# Altium PCB V3(B0317).PcbDoc (part 2 of 2)
Units mil, origin at the board's own origin, x right, y up, seen from the top; angles counter-clockwise.
Board outline 3937.01 x 3937.01 mil, 2 copper layers (Top Layer, Bottom Layer); 151 components, 137 nets, 561 pads, 319 vias.
Unrouted connection lines stored in the file: 1.
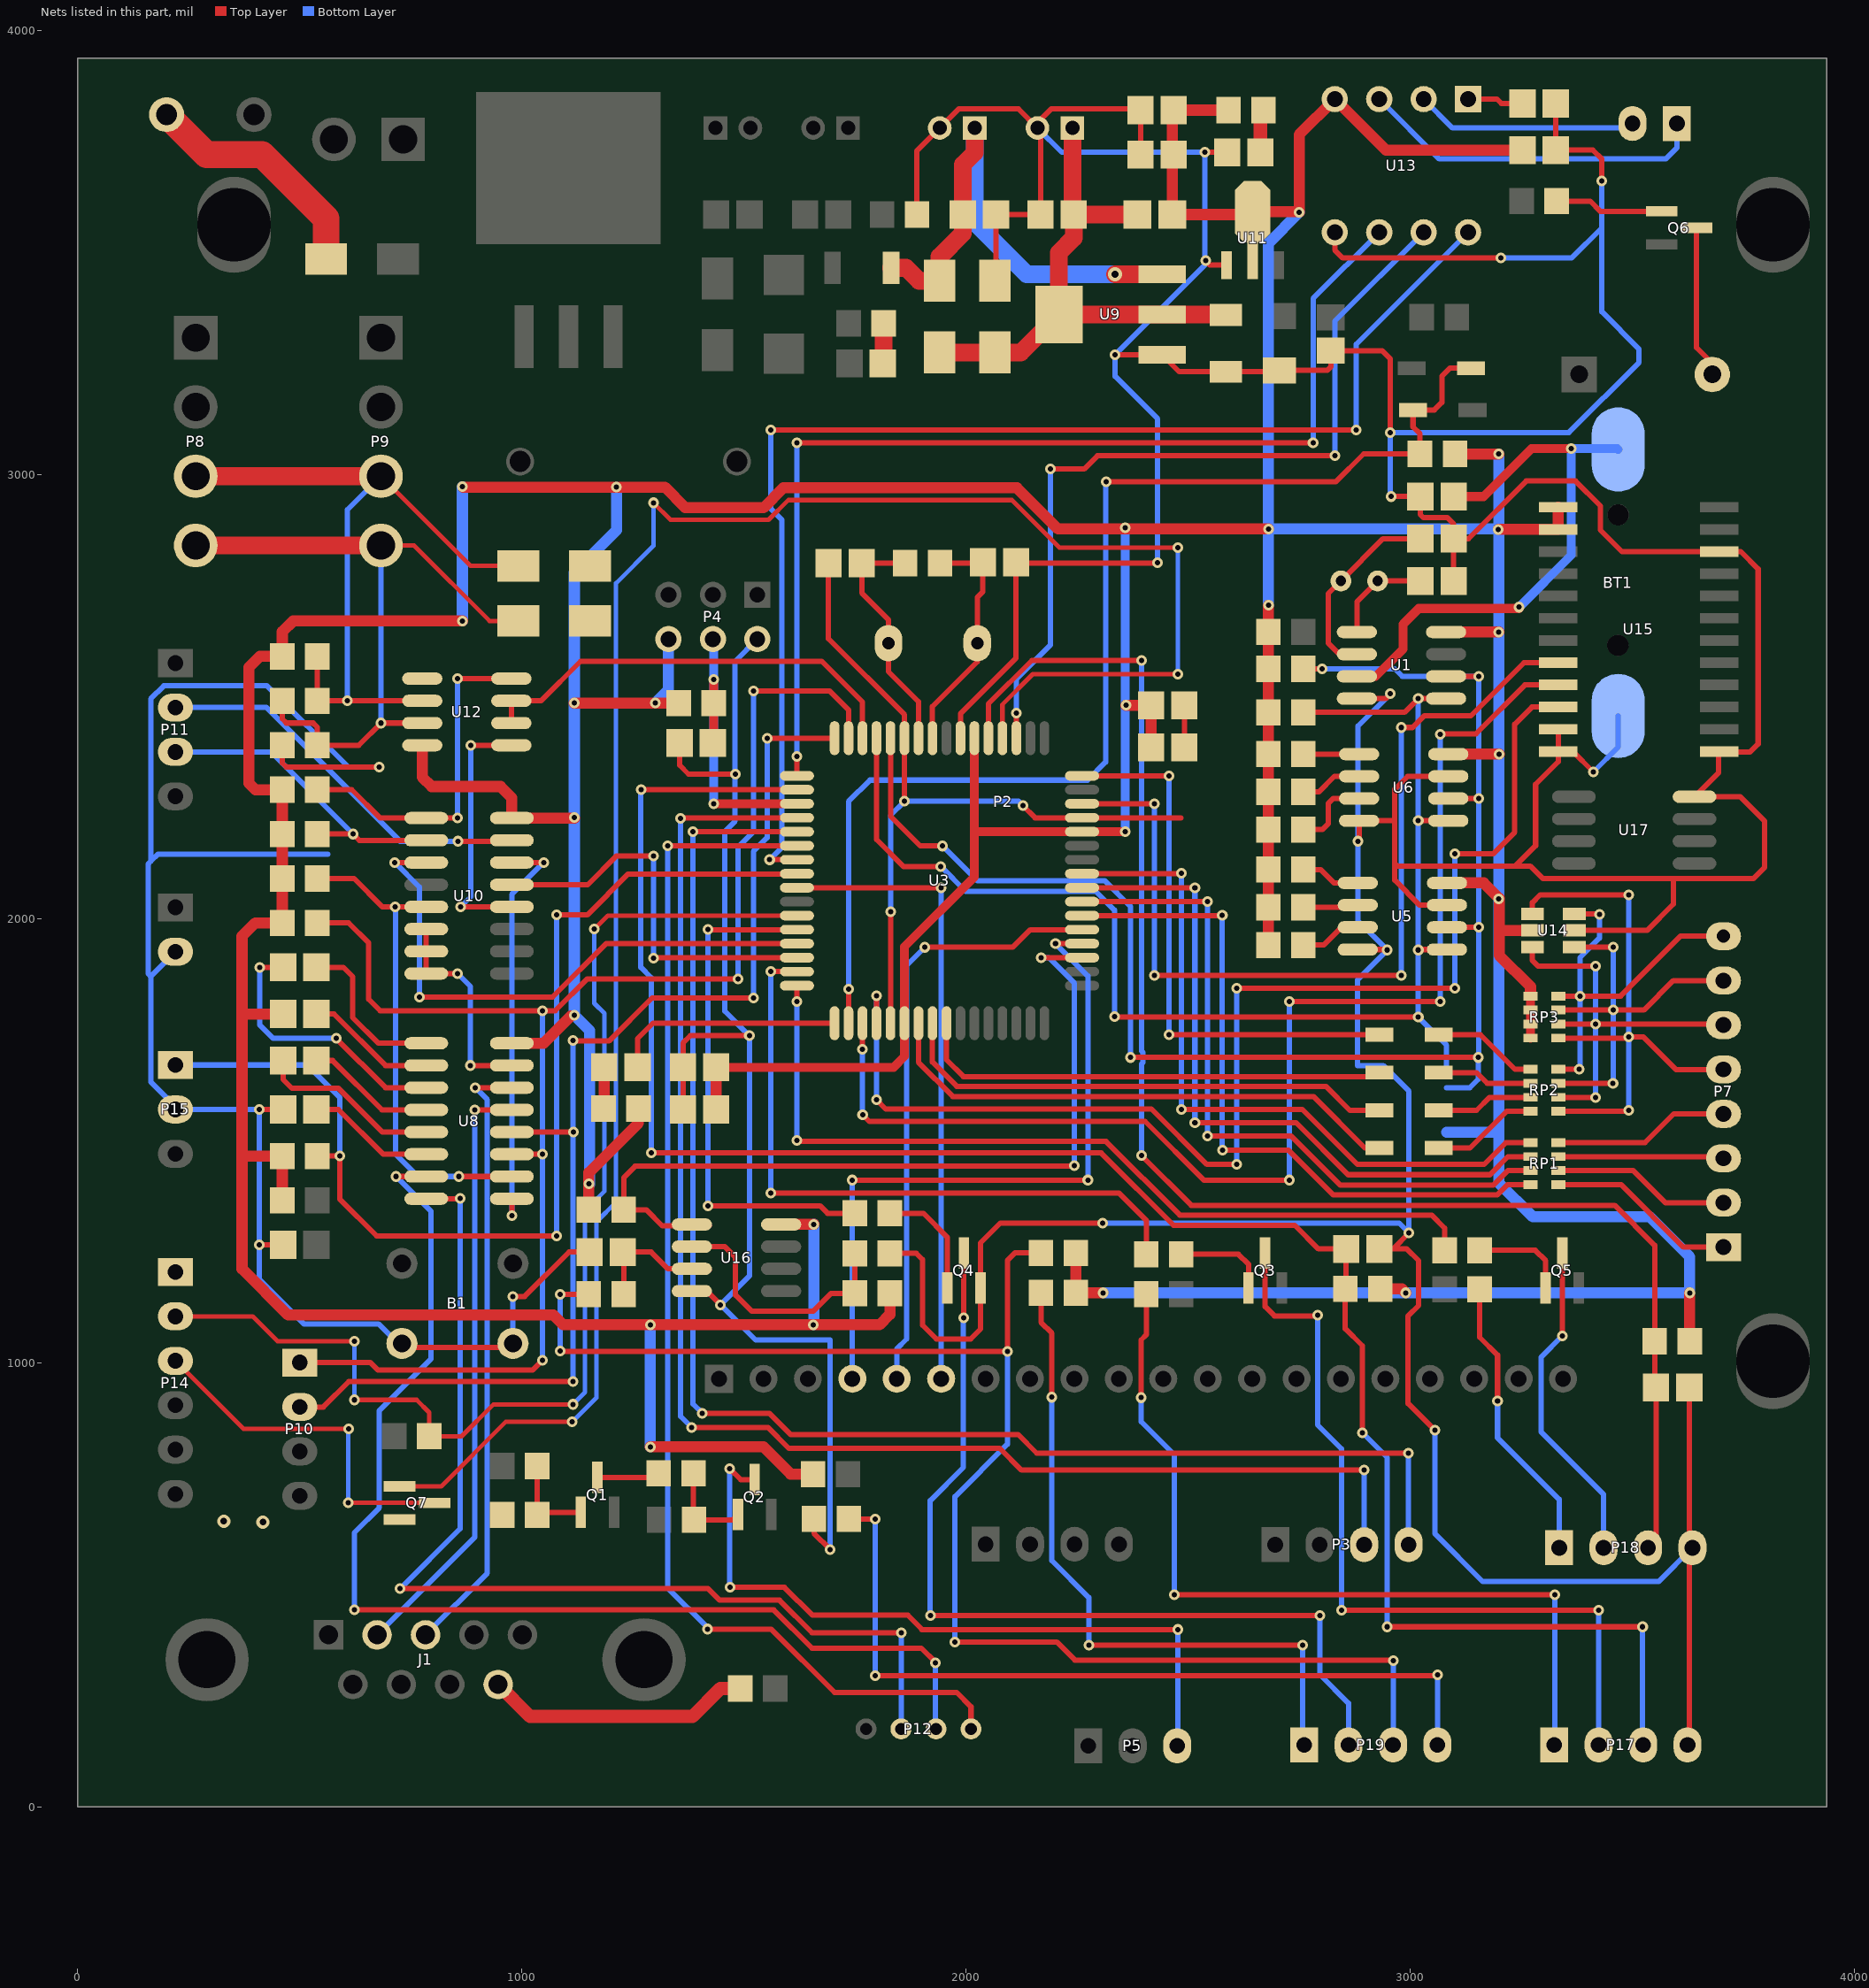
[diagram p2: the nets of this part, all layers, seen from the top]

## Via types
v1: diameter 24, hole 12, Top Layer to Bottom Layer, 272 vias
v2: diameter 30, hole 15, Top Layer to Bottom Layer, 40 vias
v3: diameter 40, hole 20, Top Layer to Bottom Layer, 3 vias
v4: diameter 32, hole 16, Top Layer to Bottom Layer, 2 vias
v5: diameter 60, hole 30, Top Layer to Bottom Layer, 2 vias

## Nets (pads, with @x,y where several pads share a name; then routed paths per layer and width w, separated by ;. In a path a pad name is that pad's centre, name@x,y a point inside that pad or via, vN(x,y) a via of type N, cw(c..) or ccw(c..) an arc to the next point about the centre after c; other vN are vias at no path point) (continued)
GND: B1.2 B1.4 BT1.2 C1.1 C2.2 C3.1 C4.2 C9.1 C10.1 C11.1 C12.1 C13.1 C14.1 C17.2 C18.1 C19.1 C21.2 C22.2 C23.2 C24.1 C25.1 C26.2 C27.1 C28.1 C29.1 C30.1 C31.1 C32.1 D6.2 D8.1 D9.1 D16.1 D17.1 P4.2 P14.1 P15.2 P16.2 P17.4 P18.4 Q4.2 Q7.2 R3.2 R15.1 R21.1 R33.2 R35.1 U1.4 U3.21 U3.45 U3.55 U3.59 U5.4 U5.7 U6.4 U6.7 U8.15 U9.1 U10.6 U10.7 U10.8 U11.1 U12.5 U13.5 U14.2 U15.11 U15.12 U15.13 U15.22 U16.4 U17.4 | length 25639.6
  Top Layer w12: v1(409,1265) C28.1@462.6,1265 ; v1(409,1570) C19.1@462.6,1570 ; R21.1@460.63,2390 460.63,2349.9 469.53,2341 v1@678,2341 ; B1.4@730,1034 B1.2@980,1034 ; U10.6@784.54,1976 U10.7@784.54,1926 U10.8@784.54,1876 v1(855,1876) v1@855,1878 ; v1(884,1669) U8.15@977.46,1669 ; v1(980,1149) 1006,1149 1106,1249 C29.1@1152.6,1249 ; C1.1@1355,2395 1355,2345 1375,2325 v1(1481,2325) ; C11.1@1362.6,1570 C10.1@1362.6,1665 1362.6,1719.6 1379,1736 v1(1512,1736) ; U16.4@1382.61,1161 1416,1161 v1(1447,1130) ; R33.2@1657.63,648 1657.63,615.37 v1(1694,579) ; C12.1@1690.2,2800 1690.2,2629.8 1861.26,2458.74 U3.59@1861.26,2405.87 v1(1861.26,2263.74) ; R35.1@1828.37,1246 1888,1246 1902,1232 1902,1084 1933,1053 2010,1053 2032.4,1075.4 Q4.2@2032.4,1167.63 2032.4,1269.4 2077,1314 v1(2307,1314) ; U3.21@1829.76,1764.13 v1(1829.76,2015) ; R3.2@1889.37,3585 1889.37,3728.74 C17.2@1940.63,3780 1983.2,3822.57 2118.06,3822.57 C23.2@2160.63,3780 ; U3.55@1987.24,2405.87 1987.24,2461.24 2112.4,2586.4 C9.1@2112.4,2802 ; D8.1@2065,3435.71 2067.4,3438.11 C18.1@2067.4,3585 C21.2@2167.6,3585 2167.6,3773.03 C23.2@2160.63,3780 ; C9.1@2112.4,2800 v1@2433,2800 ; v1(2128,2254) 2155.27,2226.73 U3.45@2260.87,2226.73 2483.73,2226.73 ; v1(2335.45,3269.45) U9.1@2441.14,3269.45 2479.57,3231.02 D9.1@2585,3231.02 2702.05,3231.02 C22.2@2705,3233.98 2812.98,3233.98 2821,3242 C32.1@2821,3278.6 2936.4,3278.6 2955,3260 v1@2955,3095 ; C25.1@2392.6,3720 C24.1@2392.6,3820 2390.02,3822.57 2191.57,3822.57 2160.63,3791.63 C23.2@2160.63,3780 ; C14.1@2491.4,2385 C13.1@2491.4,2480 ; v1(2537,3725) D6.2@2587.6,3725 ; v1(2539,3481) 2548.74,3471.26 U11.1@2585.94,3471.26 ; U13.5@2830,3545 2830,3505 2848,3487 v1(3204,3487) ; U1.4@2879.61,2495 2944,2495 v1(2955,2506) ; U5.4@2881.61,1930 v1@2947,1930 ; v1(2882,2174) 2884.61,2176.61 U6.4@2884.61,2220 2964,2220 ; C30.1@2930.4,1256 2961,1256 ; v1(2957,2950) C3.1@3022.6,2950 3022.6,2909.4 3029.5,2902.5 3083.5,2902.5 3097.4,2888.6 C2.2@3097.4,2855 ; v1(2997,1292) 2961,1256 ; v1(3055,848) 2995,908 2995,1105 3018.5,1128.5 3018.5,1229.5 2992,1256 2961,1256 ; U5.7@3082.39,2030 3021,2030 2965,2086 2965,2123 ; U6.7@3085.39,2320 2994,2320 2965,2291 2965,2123 ; C4.2@3097.4,2760 C2.2@3097.4,2855 ; C26.2@3327.4,3835 C27.1@3327.4,3730 3411,3730 3431,3710 v1(3431,3661) ; U15.11@3332.9,2426 U15.12@3332.9,2376 ; U14.2@3369.24,1973 3533,1973 3592,2032 3592,2090 ; v1(3412,2330) 3366,2376 U15.12@3332.9,2376 ; P17.4@3624,139 3628,143 C31.1@3628,944 ; 2965,2123 2970,2118 3236,2118 ; C2.2@3097.4,2855 3131,2855 3261,2985 3372,2985 3428,2929 3428,2874.43 3476.43,2826 U15.22@3695.1,2826 3743.9,2826 3783,2786.9 3783,2393 3764.9,2374.9 3694,2374.9 3694,2328.17 U17.4@3639.83,2274 3743,2274 3797.9,2219.1 3797.9,2114.9 3773,2090 3592,2090 ; 3236,2118 3270,2118 3298,2090 3592,2090 ; 3236,2118 3282,2164 3282,2302 3332.9,2352.9 U15.12@3332.9,2376
  Bottom Layer w12: P16.2@220,1925 164.63,1869.63 ; 563,2145 181,2145 164.63,2128.63 ; v1(679,2341) 609,2341 426,2524 193.96,2524 164.63,2494.67 164.63,2128.63 ; B1.4@730,1034 677,1087 509,1087 409,1187 v1(409,1265) v1(409,1570) P15.2@220,1570 220,1576.51 164.63,1631.88 164.63,1869.63 ; v1(855,1876) 884,1847 v1(884,1669) ; B1.2@980,1043 v1(980,1149) ; P4.2@1530,2629 1480,2579 1480,2219 1457,2196 1457,1791 v1(1512,1736) 1512,1195 v1(1447,1130) 1526,1051 1694,1051 v1(1694,579) ; v1(1829.76,2015) 1829.76,2232.24 v1(1861.26,2263.74) 2118.26,2263.74 v1(2128,2254) ; C23.2@2160.63,3780 2215.63,3725 v1(2537,3725) 2537,3483 v1(2539,3481) 2539,3473 v1(2335.45,3269.45) 2335.45,3220.55 2431,3125 v1(2431,2801) ; v1(2307,1314) 2975,1314 v1(2997,1292) 2997,1611 2939,1669 2880.61,1669 2880.61,1861.61 v1(2948,1929) 2882,1995 v1(2882,2174) 2882,2433 v1(2955,2506) ; v1@2955,2951 v1(2955,3094) 3357,3094 3515,3252 3515,3282 3431,3366 3431,3555 ; v1(3055,848) 3055,615 3163,507 3559,507 P18.4@3635,583 ; v1(3204,3487) 3363,3487 3431,3555 ; v1(3412,2330) 3468,2386 BT1.2@3468,2456 ; v1(3431,3661) 3431,3555 ; 164.63,1869.63 159,1875.26 159,2123 164.63,2128.63
  other v2: 417,641 329,643
IR: P15.1 R24.1 U3.8 | length 2504.8
  Top Layer w12: R24.1@539.37,1465 v1(590,1465) 590,1368 673,1285 v1(1078,1285) ; v1(1078,2008) 1147,2008 1239,2100 1618.39,2100 U3.8@1619.13,2100.75
  Bottom Layer w12: P15.1@220,1670 517,1670 590,1597 v1(590,1465) ; v1(1078,1285) v1(1078,2008)
IRQ: C30.2 P17.3 R38.1 U3.2 | length 4565.3
  Top Layer w12: v1(1268,2290) 1268.28,2289.72 U3.2@1619.13,2289.72 ; v1(1291,1472) 2304,1472 2467,1309 2740,1309 2793,1256 C30.2@2855.6,1256 2855.6,1167.97 R38.1@2853.63,1166 2853.63,1076.37 2892,1038 v1(2892,842) ; v1(2948,405) v1(3523,405)
  Bottom Layer w12: v1@1267.76,2290 1267.76,1890 1291,1866.76 v1(1291,1472) ; v1(2892,842) 2948,786 v1(2948,405) ; v1(3523,405) 3523,140 P17.3@3524,139
KB_H1: RP1.8 U3.38 | length 1589.5
  Top Layer w12: U3.38@2260.87,2006.26 v1@2576.74,2006.26 ; v1(2577,1478) 2726,1478 2826,1378 3196.23,1378 3218.98,1400.76 RP1.8@3270.5,1400.76
  Bottom Layer w12: v1@2576.74,1478 v1(2576.74,2007.26)
KB_H2: RP1.7 U3.39 | length 1596.6
  Top Layer w12: U3.39@2260.87,2037.76 v1@2543,2037.76 ; v1(2543,1510) 2732,1510 2842,1400 3187.11,1400 3219.36,1432.25 RP1.7@3270.5,1432.25
  Bottom Layer w12: v1(2543,1510) v1(2543,2038)
KB_H3: RP1.6 U3.40 | length 1604
  Top Layer w12: U3.40@2260.87,2069.25 v1@2515,2069.25 ; v1(2515,1540) 2743,1540 2860,1423 3179,1423 3219.75,1463.75 RP1.6@3270.5,1463.75
  Bottom Layer w12: v1(2515,1540) v1(2515,2069)
KB_H4: RP1.5 U3.41 | length 1613.4
  Top Layer w12: U3.41@2260.87,2100.75 v1@2485,2100.75 ; v1(2485,1570) 2757,1570 2881,1446 3166,1446 3215.24,1495.24 RP1.5@3270.5,1495.24
  Bottom Layer w12: v1(2485,1570) v1(2485,2102)
KB_V1: D12.1 U3.23 | length 1205.2
  Top Layer w12: U3.23@1892.76,1764.13 1892.76,1676.24 1970,1599 2782,1599 2898,1483 D12.1@2930.07,1483
KB_V2: D10.1 U3.24 | length 1138.2
  Top Layer w12: U3.24@1924.25,1764.13 1924.25,1676.75 1979,1622 2810,1622 2864,1568 D10.1@2930.07,1568
KB_V3: D13.1 U3.25 | length 1075.8
  Top Layer w12: U3.25@1955.75,1764.13 1955.75,1682.25 1994,1644 2921.07,1644 D13.1@2930.07,1653
KB_V4: D11.1 U3.48 | length 1252.2
  Top Layer w12: U3.48@2260.87,2321.22 v1@2457,2321.22 ; v1(2457,1738) D11.1@2930.07,1738
  Bottom Layer w12: v1(2457,1738) v1(2457,2321)
LCD_E: P2.6 U3.9 | length 1430.4
  Top Layer w12: U3.9@1619.13,2069.25 1943.57,2069.25 v1(1943.82,2069)
  Bottom Layer w12: P2.6@1943.82,963.43 v1(1943.82,2069)
LCD_RS: P2.4 U3.36 | length 1599.7
  Top Layer w12: v1(1743.82,1411) v1(2274,1411) ; v1(2201.27,1943.27) U3.36@2260.87,1943.27
  Bottom Layer w12: P2.4@1743.82,963.43 v1(1743.82,1411) ; v1(2201.27,1943.27) 2274,1870.54 v1(2274,1411)
LCD_RW: P2.5 U3.37 | length 1368.1
  Top Layer w12: v1(1907,1935) 2105,1935 2144.76,1974.76 U3.37@2260.87,1974.76
  Bottom Layer w12: P2.5@1843.82,963.43 1843.82,1030.82 1866,1053 1866,1894 v1(1907,1935)
LED1: R23.1 U3.15 | length 1504.5
  Top Layer w12: v1@1560.28,1381.53 2344.47,1381.53 2405.63,1320.37 R23.1@2405.63,1244 ; v1(1560.28,1880.28) U3.15@1619.13,1880.28
  Bottom Layer w12: v1(1560.28,1381.72) v1(1560.28,1880.28)
LED1+: P17.1 R27.1 | length 1910.3
  Top Layer w12: v1@2394,918 v1(2394,921) 2394,1051 2405.63,1062.63 R27.1@2405.63,1154 ; v1(2469,477) v1(3325,477)
  Bottom Layer w12: v1(2394,921) 2394,867 2469,792 v1(2469,477) ; P17.1@3324,139 3325,140 v1(3325,477)
LED1-: P17.2 Q3.3 | length 1816.4
  Top Layer w12: Q3.3@2673,1246.37 2673,1126 2694,1105 v1@2791,1105 ; v1(2845,442) v1(3424,442)
  Bottom Layer w12: v1(2791,1107) 2791.31,1106.68 2791.31,859.68 2845,806 v1(2845,442) ; P17.2@3424,139 v1(3424,442)
LED2: R29.1 U3.16 | length 1936.7
  Top Layer w12: v1(1619.13,1813.13) U3.16@1619.13,1848.78 ; v1@1620,1498 2315,1498 2481,1332 3048,1332 3077.26,1302.74 R29.1@3077.26,1253
  Bottom Layer w12: v1(1619,1500) 1619.13,1500.13 v1(1619.13,1813.13)
LED2+: P18.1 R30.1 | length 656.8
  Top Layer w12: R30.1@3156,1165 3156,1057 3196.32,1016.68 v1(3196.32,913.32)
  Bottom Layer w12: v1@3196.32,914 3196.32,830.68 3335,692 P18.1@3335,583
LED2-: P18.2 Q5.3 | length 741.7
  Top Layer w12: v1(3342,1060) Q5.3@3342,1246.37
  Bottom Layer w12: v1(3342,1060) 3294,1012 3294,844 3435,703 P18.2@3435,583
LED3: D4.2 U3.17 | length 522.2
  Top Layer w12: D4.2@1260.4,1665 1260.4,1729.4 1295.13,1764.13 U3.17@1703.78,1764.13
NetBT1_1: BT1.1 C3.2 U1.3 | length 1286.7
  Top Layer w20: U1.3@2879.61,2545 2922.12,2545 2984,2606.88 2984,2663 3019,2698 v1@3245,2698 ; C3.2@3095,2952.4 C3.2@3097.4,2950 3165,2950 3273,3058 v1(3362,3058)
  Bottom Layer w20: v1(3245,2701) 3362,2818 v1(3362,3058) 3466,3058 BT1.1@3468,3056
NetC2_1: C2.1 U1.2 Y1.1 | length 445.1
  Top Layer w12: U1.2@2879.61,2595 2840,2595 2815,2620 2815,2731.34 Y1.1@2843.66,2760 2938.66,2855 C2.1@3022.6,2855
NetC4_1: C4.1 U1.1 Y1.2 | length 230.6
  Top Layer w12: U1.1@2879.61,2645 2879.61,2713.27 Y1.2@2926.34,2760 C4.1@3022.6,2760
NetC9_2: C9.2 R4.1 U3.57 Y2.1 | length 537.3
  Top Layer w12: U3.57@1924.25,2405.87 1924.25,2477.25 2025,2578 Y2.1@2025,2620 2025,2723 2037.6,2735.6 C9.2@2037.6,2802 ; R4.1@1941.37,2800 C9.2@2035.6,2800
NetC12_2: C12.2 R4.2 U3.58 Y2.2 | length 544.7
  Top Layer w12: R4.2@1862.63,2800 C12.2@1765,2800 1765,2733 1825,2673 Y2.2@1825,2620 1825,2556 1892.76,2488.24 U3.58@1892.76,2405.87
NetC15_1: C15.1 U8.5 | length 413.6
  Top Layer w12: C15.1@462.6,1680 462.6,1637.4 482.5,1617.5 587.5,1617.5 686,1519 U8.5@784.54,1519
NetC15_2: C15.2 U8.4 | length 293.1
  Top Layer w12: C15.2@537.4,1680 574,1680 685,1569 U8.4@784.54,1569
NetC16_1: C16.1 U8.3 | length 615.5
  Top Layer w12: v1(410,1890) C16.1@462.6,1890 ; v1(582,1730) 693,1619 U8.3@784.54,1619
  Bottom Layer w12: v1(410,1890) 410,1760 440,1730 v1(582,1730)
NetC16_2: C16.2 U8.1 | length 371.9
  Top Layer w12: C16.2@537.4,1890 598,1890 619,1869 619,1777 677,1719 U8.1@784.54,1719
NetC17_1: C17.1 C18.2 D7.2 F2.2 U9.3 | length 1181
  Top Layer w40: F2.2@1830.94,3465 1865,3465 1894.29,3435.71 D7.2@1940,3435.71 1940,3490 1992.6,3542.6 C18.2@1992.6,3585 1992.6,3697.6 2019.37,3724.37 C17.1@2019.37,3780 ; v4(2335.55,3450.55) U9.3@2441.14,3450.55
  Bottom Layer w40: C17.1@2019.37,3780 2019.37,3567.63 2136.45,3450.55 v4(2335.55,3450.55)
NetC19_2: C19.2 U8.6 | length 289
  Top Layer w12: C19.2@537.4,1570 587,1570 688,1469 U8.6@784.54,1469
NetC20_1: C20.1 U8.2 | length 295.2
  Top Layer w12: C20.1@537.4,1785 577,1785 693,1669 U8.2@784.54,1669
NetC26_1: C26.1 U13.1 | length 126.7
  Top Layer w12: U13.1@3130,3845 3195,3845 3205,3835 C26.1@3252.6,3835
NetC29_2: C29.2 R32.2 U16.3 | length 322.4
  Top Layer w12: R32.2@1229.37,1154 1229.37,1247.03 C29.2@1227.4,1249 1291,1249 1329,1211 U16.3@1382.61,1211 ; U16.3@1366,1208 U16.3@1421.61,1208
NetD1_2: D1.2 F1.1 | length 547
  Top Layer w60: F1.1@200,3810 290,3720 415,3720 559.29,3575.71 D1.2@559.29,3485
NetD4_1: D4.1 R6.1 | length 93.8
  Top Layer w25: R6.1@1183.63,1572 1185.6,1573.97 D4.1@1185.6,1665
NetD5_1: D5.1 R8.1 | length 90.8
  Top Layer w40: D5.1@1812.4,3250 1814.37,3251.97 R8.1@1814.37,3340
NetD6_1: D6.1 R12.1 | length 97.9
  Top Layer w30: D6.1@2662.4,3725 2662.4,3813.03 R12.1@2669.37,3820
NetD10_2: D10.2 RP2.7 | length 218.7
  Top Layer w12: D10.2@3063.93,1568 3149,1568 3178.25,1597.25 RP2.7@3270.5,1597.25
NetD11_2: D11.2 RP2.5 | length 238.8
  Top Layer w12: D11.2@3063.93,1738 3158,1738 3235.76,1660.24 RP2.5@3270.5,1660.24
NetD12_2: D12.2 RP2.8 | length 240.9
  Top Layer w12: D12.2@3063.93,1483 3134,1483 3216.76,1565.76 RP2.8@3270.5,1565.76
NetD13_2: D13.2 RP2.6 | length 216.6
  Top Layer w12: D13.2@3063.93,1653 3149,1653 3173.25,1628.75 RP2.6@3270.5,1628.75
NetD16_2: D16.2 P8.3 P9.3 R19.1 R20.2 U12.6 | length 1683.6
  Top Layer w10: P9.3@682.67,2995.79 884.46,2794 D16.2@992.29,2794
  Top Layer w12: R19.1@539.37,2590 R20.2@539.37,2490 v1(607,2490) U12.6@775.61,2490
  Top Layer w40: P8.3@265.67,2995.79 P9.3@682.67,2995.79
  Bottom Layer w12: v1(607,2490) 607,2920.12 P9.3@682.67,2995.79
NetD17_2: D17.2 P8.4 P9.4 R20.1 R21.2 U12.7 | length 1621.7
  Top Layer w10: P9.4@682.67,2839.88 757.12,2839.88 927,2670 D17.2@992.29,2670
  Top Layer w12: R20.1@460.63,2490 460.63,2449.37 470,2440 530,2440 539.37,2430.63 R21.2@539.37,2390 633,2390 v1(683,2440) U12.7@775.61,2440
  Top Layer w40: P8.4@265.67,2839.88 P9.4@682.67,2839.88
  Bottom Layer w12: P9.4@682.67,2839.88 683,2839.55 v1(683,2440)
NetJ1_9: J1.9 R22.1 | length 601
  Top Layer w30: J1.9@946.58,275.11 1018.69,203 1384,203 1447,266 R22.1@1491.63,266
NetLS1_2: LS1.2 Q6.3 | length 362
  Top Layer w12: Q6.3@3644.37,3555 3644.37,3285.24 LS1.2@3709.61,3220
NetP5_3: P5.3 Q2.3 | length 1644.4
  Top Layer w12: v1(1468,761) 1492.63,736.37 Q2.3@1524,736.37 ; v1(1469,494) 1591,494 1654,431 1869,431 1901,399 ; 1900,399 1901,399 ; v1(2477,399) 1901,399
  Bottom Layer w12: v1@1468,494 v1(1468,761) ; P5.3@2475,137 2477,139 v1(2477,399)
NetP6_1: P6.1 U13.3 | length 791.3
  Bottom Layer w12: U13.3@2930,3845 3065,3710 3575,3710 3600,3735 P6.1@3600,3790
NetP6_2: P6.2 U13.2 | length 501.1
  Bottom Layer w12: U13.2@3030,3845 3095,3780 3490,3780 P6.2@3500,3790
NetP7_1: P7.1 RP1.1 | length 454.2
  Top Layer w12: RP1.1@3333.5,1400.76 3474.24,1400.76 3615,1260 P7.1@3705,1260 P7.1@3687.76,1242.76
NetP7_2: P7.2 RP1.2 | length 401.4
  Top Layer w12: RP1.2@3333.5,1432.25 3501.75,1432.25 3574,1360 P7.2@3705,1360
NetP7_3: P7.3 RP1.3 | length 373.1
  Top Layer w12: RP1.3@3333.5,1463.75 3701.25,1463.75 P7.3@3705,1460
NetP7_4: P7.4 RP1.4 | length 398.3
  Top Layer w12: RP1.4@3333.5,1495.24 3528.24,1495.24 3593,1560 P7.4@3705,1560
NetP7_5: P7.5 RP2.1 RP3.1 U14.4 | length 1292.7
  Top Layer w12: U14.4@3274.76,2010.4 3274.76,2035.76 3292,2053 v1(3492,2053) ; RP2.1@3333.5,1565.76 v1@3489.76,1565.76 ; RP3.1@3333.5,1730.76 v1@3492,1730.76 ; v1(3492,1733) 3525,1733 3598,1660 P7.5@3705,1660
  Bottom Layer w12: v1(3492,1568) v1(3492,1733) v1(3492,2053)
NetP7_6: P7.6 RP2.2 RP3.2 U14.6 | length 928.6
  Top Layer w12: U14.6@3274.76,1935.6 3274.76,1905.24 3287,1893 v1(3417,1893) ; RP2.2@3333.5,1597.25 v1(3417,1597.25) ; RP3.2@3333.5,1762.25 v1(3417,1762.25) 3702.75,1762.25 P7.6@3705,1760
  Bottom Layer w12: v1@3417,1598 v1(3417,1762.25) v1(3417,1893)
NetP7_7: P7.7 RP2.3 RP3.3 U14.1 | length 917.1
  Top Layer w12: RP2.3@3333.5,1628.75 v1(3456.25,1628.75) ; RP3.3@3333.5,1793.75 v1(3457,1793.75) 3525.75,1793.75 3592,1860 P7.7@3705,1860 ; U14.1@3369.24,1935.6 v1(3457,1935.6)
  Bottom Layer w12: v1@3457,1628 v1(3457,1793.75) v1(3457,1935.6)
NetP7_8: P7.8 RP2.4 RP3.4 U14.3 | length 895
  Top Layer w12: RP2.4@3333.5,1660.24 v1(3379.76,1660.24) ; RP3.4@3333.5,1825.24 v1(3382,1825.24) 3473.24,1825.24 3608,1960 P7.8@3705,1960 ; U14.3@3369.24,2010.4 3424.6,2010.4 v1(3425.8,2009.2)
  Bottom Layer w12: v1@3382,1663 v1(3382,1825.24) 3382,1912 3425.8,1955.8 v1(3425.8,2009.2)
NetP14_3: P14.3 Q7.3 | length 815.2
  Top Layer w10: P14.3@220,1004 373,851 v1(610,851) ; v1(609,684) Q7.3@803.37,684
  Bottom Layer w10: v1(609,684) 609,850 v1(610,851)
NetQ1_1: Q1.1 R13.2 R15.2 | length 210.6
  Top Layer w12: R13.2@1034.37,767 R15.2@1034.37,657 1040,662.63 Q1.1@1132.6,662.63
NetQ1_3: Q1.3 R17.1 | length 141.6
  Top Layer w12: Q1.3@1170,741.37 1298,741.37 R17.1@1307.63,751
NetQ2_1: Q2.1 R16.1 R17.2 | length 209.5
  Top Layer w12: R17.2@1386.37,751 1386.37,647 R16.1@1387.37,646 1474.97,646 Q2.1@1486.6,657.63
NetQ3_1: Q3.1 R23.2 | length 214.4
  Top Layer w12: R23.2@2484.37,1244 2613,1244 2635.6,1221.4 Q3.1@2635.6,1167.63
NetQ4_1: Q4.1 R26.2 | length 266.2
  Top Layer w12: R26.2@1828.37,1336 1904,1336 1957.6,1282.4 Q4.1@1957.6,1167.63
NetQ5_1: Q5.1 R29.2 | length 220.1
  Top Layer w12: R29.2@3156,1253 3281,1253 3304.6,1229.4 Q5.1@3304.6,1167.63
NetQ6_1: Q6.1 R37.2 | length 245.6
  Top Layer w12: R37.2@3329.37,3615 3405,3615 3427.6,3592.4 Q6.1@3565.63,3592.4
NetR34_1: R34.1 R35.2 U16.2 | length 583.4
  Top Layer w12: U16.2@1382.61,1261 1457,1261 1481,1237 1481,1152 1517,1116 1656,1116 1696,1156 R34.1@1749.63,1156 R35.2@1749.63,1246
NetR42_2: R42.2 U5.1 | length 142.7
  Top Layer w12: R42.2@2759.37,2110 2798,2110 2828,2080 U5.1@2889.61,2080
NetR43_2: R43.2 U5.2 | length 132.3
  Top Layer w12: R43.2@2759.37,2025 2884.61,2025 U5.2@2889.61,2030
NetR44_2: R44.2 U5.3 | length 146.8
  Top Layer w12: R44.2@2759.37,1940 2805,1940 2845,1980 U5.3@2889.61,1980
NetR45_2: R45.2 U6.1 | length 125.2
  Top Layer w12: R45.2@2759.37,2370 U6.1@2884.61,2370
NetR46_2: R46.2 U6.2 | length 139.7
  Top Layer w12: R46.2@2759.37,2285 2794,2285 2829,2320 U6.2@2884.61,2320
NetR47_2: R47.2 U6.3 | length 181.2
  Top Layer w12: R47.2@2759.37,2200 2802,2200 2815,2213 2815,2259 2826,2270 U6.3@2884.61,2270
PAPER: R41.1 U3.35 U16.1 | length 1906.7
  Top Layer w12: U16.1@1421.61,1308 1316,1308 1280,1344 R41.1@1229.37,1344 1229.37,1416.37 1255,1442 2242.77,1442 v1(2243.77,1443) ; v1(2169,1911.77) U3.35@2260.87,1911.77
  Bottom Layer w12: v1(2169,1911.77) 2186.23,1911.77 2243.77,1854.23 v1(2243.77,1443)
PAPER_EN: R26.1 U3.12 | length 1159.8
  Top Layer w12: v1(1419,1353) 1671,1353 1688,1336 R26.1@1749.63,1336 ; v1@1419,1974.76 U3.12@1619.13,1974.76
  Bottom Layer w12: v1(1419,1353) v1(1419,1975)
PAPER_LED_IN+: P19.3 R31.1 R32.1 | length 3385
  Top Layer w12: v1@1086,1025 v1(2093,1025) 2093,1230 2110,1247 R31.1@2168.63,1247 ; v1(1086,1154) R32.1@1150.63,1154 ; v1(1975,371) 2204,371 2245,330 2961,330 v1(2962,329)
  Bottom Layer w12: v1(1086,1026) v1(1086,1154) ; v1(1975,371) 1975,698 2093,816 v1(2093,1025) ; P19.3@2961,139 2962,140 v1(2962,329)
PAPER_LED_IN-: P19.4 R33.1 | length 1836.5
  Top Layer w12: R33.1@1736.37,648 v1(1795,648) ; v1(1795,295) 3059,295 v1(3061,297)
  Bottom Layer w12: v1(1795,295) v1(1795,648) ; P19.4@3061,139 v1(3061,297)
PAPER_LED_OUT+: P19.1 R28.1 | length 1545.7
  Top Layer w12: R28.1@2168.63,1157 2168.63,1090.37 2193,1066 v1(2193,922) ; v1(2276,364) v1(2758,364)
  Bottom Layer w12: v1(2193,922) 2193,554 2276,471 v1(2276,364) ; v1(2758,364) 2758,142 P19.1@2761,139
PAPER_LED_OUT-: P19.2 Q4.3 | length 2042.4
  Top Layer w12: v1(1920,430) v1(2796,430) ; v1(1995,1101) Q4.3@1995,1246.37
  Bottom Layer w12: v1@1919,429 1919,689 1994,764 v1@1994,1101 ; v1(2796,430) 2796,298 2861,233 P19.2@2861,139
PRINTER_BUSY: P12.1 U3.6 | length 2805
  Top Layer w12: v1(1328,2164) 1328.26,2163.74 U3.6@1619.13,2163.74 ; v1(1418,400) 1561,400 1704,257 1979,257 2011,225 P12.1@2011,175
  Bottom Layer w12: v1(1328,2164) 1328,493 v1@1418,403
RESET: C1.2 P4.4 R1.1 U3.3 | length 703.5
  Top Layer w20: C1.2@1429.8,2395 1431.77,2396.97 R1.1@1431.77,2485 v1(1431.77,2537.77) ; v1@1431.77,2258.23 U3.3@1619.13,2258.23
  Bottom Layer w20: P4.4@1428,2629 1431.77,2625.23 v1(1431.77,2537.77) v1(1431.77,2258)
RMB: P14.2 R48.1 U3.11 | length 2723
  Top Layer w10: P14.2@220,1104 394,1104 450,1048 v1(623,1048) ; v1(623,916) 763,916 791.37,887.63 R48.1@791.37,834 864,834 936,906 v1(1115,906) ; v1(1163,1976) 1193.26,2006.26 U3.11@1619.13,2006.26
  Bottom Layer w10: v1(623,916) v1(623,1048) ; v1(1115,906) 1142,933 1142,1342 1186,1386 1186,1786 1163,1809 v1(1163,1976)
RMB_EN: Q7.1 U3.52 | length 4638.3
  Top Layer w10: Q7.1@724.63,721.4 818.4,721.4 964,867 v1(1113,867) ; v1(1296,2936) 1334.5,2897.5 1555.39,2897.5 1599.89,2942 2103.11,2942 2210.11,2835 v1(2477,2835) ; U3.52@2081.73,2405.87 2081.73,2481.73 2150,2550 v1(2477,2550)
  Bottom Layer w10: v1(1113,867) 1114.18,867 1168,920.82 1168,1317 1212,1361 1212,2755 1296,2839 v1(1296,2936) ; v1(2477,2550) v1(2477,2835)
RS485: U3.62 U12.2 U12.3 | length 996.6
  Top Layer w12: U12.2@976.39,2440 U12.3@976.39,2490 1043,2490 1132,2579 1675,2579 1766.77,2487.23 U3.62@1766.77,2405.87
RX1: J1.2 U8.13 | length 1356.7
  Top Layer w12: v1(894,1569) U8.13@977.46,1569
  Bottom Layer w12: J1.2@673.95,386.92 894,606.98 v1(894,1569)
RX2: P12.3 U8.8 | length 2398
  Top Layer w12: v1(726,491) 1419,491 1445,465 1580,465 1653,392 v1(1854,392) ; U8.8@784.54,1369 860,1369 v1(861,1370)
  Bottom Layer w12: v1(726,491) 861,626 861,950 v1(861,1370) ; P12.3@1853.52,175 1854,175.48 v1(1854,392)
RXD1: U3.14 U10.13 | length 898.6
  Top Layer w12: U10.13@977.46,2076 1148,2076 1213,2141 v1(1296,2141) ; v1@1296,1911.77 U3.14@1619.13,1911.77
  Bottom Layer w12: v1(1296,1911) v1(1296,2141)
RXD2: P10.2 U3.64 U8.12 | length 2741
  Top Layer w12: P10.2@500,900 553,900 610,957 v1(1115,957) ; U8.12@977.46,1519 v1(1116,1519) ; v1@1115,1724 1196,1724 1293,1821 v1(1521,1821) ; v1@1552,2405.87 U3.64@1703.78,2405.87
  Bottom Layer w12: v1(1115,957) v1(1115,1725) ; v1(1521,1821) 1521,2151 1552,2182 v1(1552,2406)
SCL: R5.1 U1.6 U3.60 U5.6 U6.6 | length 3527.8
  Top Layer w12: U3.60@1829.76,2405.87 1829.76,2230.24 1896.89,2163.11 v1(1947,2163.11) ; v1(2370,1687) v1(3153,1687) ; R5.1@2759.37,2562 v1(2801,2562) ; U1.6@3078.39,2543 U1.6@3080.39,2545 v1(3154,2545) ; U5.6@3082.39,1980 v1(3154,1980) ; U6.6@3085.39,2270 v1(3154,2270)
  Bottom Layer w12: v1(1947,2163.11) 2025.11,2085 2312,2085 2370,2027 v1(2370,1687) ; v1(2801,2562) 2965,2562 2982,2545 v1(3154,2545) v1(3154,2270) v1(3154,1980) v1@3154,1687 ; 3081.39,1619 3134,1619 3153,1638 v1(3153,1687)
SDA: R7.1 U1.5 U3.61 U5.5 U6.5 | length 3070.5
  Top Layer w12: U3.61@1798.27,2405.87 1798.27,2177.73 1859,2117 v1(1943,2117) ; v1@2334,1778 v1(3018,1778) ; R7.1@2759.37,2464 2987,2464 v1(3018,2495) U1.5@3080.39,2495 ; v1(3018,2220) U6.5@3085.39,2220 ; v1@3019,1930 U5.5@3082.39,1930
  Bottom Layer w12: v1(1943,2117) 1999,2061 2292,2061 2334,2019 v1(2334,1779) ; v1(3018,2495) v1(3018,2220) v1(3018,1929) v1(3018,1778) 3081.39,1714.61 3081.39,1669
SPI_MISO: D14.1 D15.1 R36.2 U3.18 | length 2784.1
  Top Layer w12: U3.18@1735.28,1764.13 v1(1735.28,1840.72) ; v1(2315,2983) 2832,2983 2895,3046 R36.2@3021.63,3046 3021.63,3091.37 3006.07,3106.93 D15.1@3006.07,3145 3054,3145 3071,3162 3071,3221 3089,3239 D14.1@3136.93,3239
  Bottom Layer w12: v1(1735.28,1840.72) 1735.28,2263.28 1783.5,2311.5 2273.5,2311.5 2314,2352 v1@2314,2979
SPI_MOSI: U3.19 U15.9 | length 2883.7
  Top Layer w12: U3.19@1766,1763.36 U3.19@1766.77,1764.13 v1(1766.77,1705.77) ; v1(1767,1558) 1782,1543 2403,1543 2535,1411 v1(2728,1411) ; v1(2728,1813) v1(3067,1813) ; v1@3067,2416 3148,2416 3258,2526 U15.9@3332.9,2526
  Bottom Layer w12: v1(1766.77,1705.77) 1766.77,1558.23 v1(1767,1558) ; v1(2728,1411) v1(2728,1813) ; v1(3067,1813) v1(3067,2415)
SPI_S1: U3.46 U15.8 | length 2076.5
  Top Layer w12: U3.46@2260.87,2258.23 v1@2424,2258.23 ; v1(2424,1872) v1(2980,1872) ; v1(2980,2430) 3005,2430 3031,2456 3136,2456 3256,2576 U15.8@3332.9,2576
  Bottom Layer w12: v1(2424,1872) v1(2424,2258) ; v1(2980,1872) v1(2980,2430)
SPI_SPSCK: U3.20 U15.10 | length 2870.9
  Top Layer w12: v1(1798,1592) 1819,1571 2417,1571 2542,1446 v1(2609,1446) ; U3.20@1798.27,1764.13 v1(1798.27,1826.27) ; v1(2609,1843) v1(3100,1843) ; v1(3100,2146) 3187,2146 3235,2194 3235,2437 3274,2476 U15.10@3332.9,2476
  Bottom Layer w12: v1(1798,1592) 1798.27,1592.27 v1(1798.27,1826.27) ; v1(2609,1446) v1(2609,1843) ; v1(3100,1843) v1(3100,2146)
TX1: J1.3 U8.14 | length 1383.3
  Top Layer w12: v1(895,1619) U8.14@977.46,1619
  Bottom Layer w12: J1.3@783,386.92 922,525.92 922,1592 v1(895,1619)
TX2: P12.2 U8.7 | length 2653.5
  Top Layer w12: v1(623,443) 1567,443 1653,357 1899,357 v1@1931,325 ; v1(717,1419) U8.7@784.54,1419
  Bottom Layer w12: v1(623,443) 623,617 679,673 679,892 795,1008 795,1341 v1(717,1419) ; v1(1931,324) 1931,176.26 P12.2@1932.26,175
TXD1: U3.13 U10.3 | length 1296.3
  Top Layer w12: v1(714,2126) U10.3@784.54,2126 ; v1(769,1823) 1069,1823 1189.27,1943.27 U3.13@1619.13,1943.27
  Bottom Layer w12: v1(714,2126) 769,2071 v1(769,1823)
TXD2: P10.1 R10.1 U3.63 U8.11 | length 3508.3
  Top Layer w12: P10.1@500,1000 659,1000 676,983 1024,983 v1(1046,1005) ; R10.1@539.37,1990 610,1990 655,1945 655,1818 681,1792 1075,1792 1147,1864 v1(1487,1864) ; U8.11@977.46,1469 v1(1046,1469) ; v1(1521,2512) 1693,2512 1735.28,2469.72 U3.63@1735.28,2405.87
  Bottom Layer w12: v1(1046,1005) 1046,1530 ; 1046,1531 v1(1046,1792) ; v1(1487,1864) 1487,2161 1521,2195 v1(1521,2512)
UKEY: C31.2 P18.3 R39.1 U3.53 | length 3508.6
  Top Layer w12: U3.53@2050.24,2405.87 2050.24,2483.24 2148,2581 v1(2395,2581) ; v1(2395,1466) 2507,1354 3460,1354 3550.23,1263.77 R39.1@3550.23,1048 3550.23,946.97 C31.2@3553.2,944 3553.2,601.2 P18.3@3535,583
  Bottom Layer w12: v1(2395,1466) 2395,1672.4 2398,1675.4 2398,1698.6 2395,1701.6 v1(2395,2581)
VCC: C10.2 C11.2 C13.2 C14.2 C20.2 C24.2 C25.2 C27.2 L1.2 P4.6 R1.2 R2.2 R5.2 R6.2 R7.2 R9.2 R10.2 R11.2 R12.2 R14.2 R18.2 R19.2 R24.2 R25.2 R28.2 R31.2 R34.2 R36.1 R38.2 R39.2 R41.2 R42.1 R43.1 R44.1 R45.1 R46.1 R47.1 RP3.5 RP3.6 RP3.7 RP3.8 U1.8 U3.22 U3.44 U3.54 U5.8 U6.8 U8.16 U10.16 U11.0 U11.2 U12.8 U13.4 U14.5 U15.1 U15.2 U16.8 | length 21115.2
  Top Layer w20: C10.2@1437.4,1665 1837,1665 1861.26,1689.26 U3.22@1861.26,1764.13 1861.26,1936.26 2018.74,2093.74 2018.74,2196.26 ; U3.54@2018.74,2405.87 2018.74,2196.26 ; v1(2358,2195.24) U3.44@2260.87,2195.24 2019.76,2195.24 2018.74,2196.26 ; RP3.8@3270.5,1730.76 RP3.7@3270.5,1762.25 RP3.6@3270.5,1793.75 RP3.5@3270.5,1825.24
  Top Layer w25: R25.2@460.63,1365 R24.2@460.63,1465 371,1465 370,1466 ; C20.2@462.6,1785 370,1785 ; U12.8@775.61,2390 775.61,2318.39 797,2297 952,2297 977.46,2271.54 U10.16@977.46,2226 v1@1118,2226 ; v1(866,2670) 485,2670 460.63,2645.63 R19.2@460.63,2590 410,2590 385,2565 385,2305 400,2290 R14.2@460.63,2290 R9.2@460.63,2190 R11.2@460.63,2090 R10.2@460.63,1990 400,1990 370,1960 370,1785 ; v1@868,2971 v1(1213,2971) 1322,2971 1368,2925 1544,2925 1588.5,2969.5 2114.5,2969.5 2207,2877 v1(2680.63,2877) ; U8.16@977.46,1719 1049,1719 v1@1111,1781 ; v1(1118,2485) v1(1300,2485) ; R41.2@1150.63,1344 v1(1150.63,1402.63) 1150.63,1427.63 1262.37,1539.37 R6.2@1262.37,1572 ; v1(1289,810) 1544,810 1605,749 R18.2@1655.63,749 ; v1@1303,2485 R1.2@1353.03,2485 ; C11.2@1437.4,1570 C10.2@1437.4,1665 ; U16.8@1583.39,1311 v1(1657,1311) ; R34.2@1828.37,1156 1828.37,1108.37 1805,1085 v1(1656,1085) 1093,1085 1071,1107 474,1107 370,1211 370,1466 ; R31.2@2247.37,1247 R28.2@2247.37,1157 v1(2308,1157) ; v1(2360,2480) C13.2@2416.6,2480 C14.2@2416.6,2385 ; R12.2@2590.63,3820 C24.2@2467.4,3820 2464.37,3816.97 L1.2@2464.37,3585 2638.66,3585 U11.0@2645,3591.34 2748.66,3591.34 v1(2750,3590) 2750,3765 U13.4@2830,3845 2945,3730 C27.2@3252.6,3730 ; R44.1@2680.63,1940 R43.1@2680.63,2025 R42.1@2680.63,2110 R47.1@2680.63,2200 R46.1@2680.63,2285 R45.1@2680.63,2370 R7.2@2680.63,2464 R5.2@2680.63,2562 R2.2@2680.63,2645 v1(2680.63,2705.37) ; R38.2@2932.37,1166 2981,1166 v1(2990,1157) ; U1.8@3080.39,2645 v1(3199,2645) ; U6.8@3085.39,2370 v1(3200,2370) ; U5.8@3090.39,2080 3165,2080 3200,2045 3200,1974 ; R36.1@3100.37,3046 v1(3199,3046) ; v1(3198,2876) U15.2@3332.9,2876 U15.1@3332.9,2926 ; RP3.5@3270.5,1825.24 3270.5,1846.5 3200,1917 3200,1974 ; U14.5@3274.76,1973 3201,1973 3200,1974 ; R39.2@3628.97,1048 v1(3629,1157) ; 370,1466 370,1785
  Bottom Layer w20: v1(2358,2195.24) v1(2358,2880)
  Bottom Layer w25: v1(866,2670) v1(866,2972) ; v1@1152,1401 1152,1748 v1(1118,1782) v1(1118,2227) 1118,2779 1213,2874 v1(1213,2971) ; v1(1289,810) v1(1289,1085) ; v1(1300,2485) 1330,2515 P4.6@1330,2629 ; v1@1657,1085 v1(1657,1311) ; v1(2308,1157) v1(2990,1157) v1(3629,1157) 3629,1238 3539,1328 3276,1328 3199,1405 3199,1516 ; v1(2680.63,2705.37) v1(2680.63,2877) ; v1(2750,3590) 2680.63,3520.63 v1(2680.63,2877) ; 3081.39,1519 3196,1519 3199,1516 ; v1(3198,2876) 3197,2877 v1(2680.63,2877) ; v1(3199,3046) v1(3199,2645) v1(3199,2044) 3199,1516
VDD: C21.1 C23.1 D7.1 D8.2 D9.2 L1.1 U9.2 U9.4 | length 1259.3
  Top Layer w40: D7.1@1940,3274.29 D8.2@2065,3274.29 2123.15,3274.29 U9.4@2208.86,3360 ; C23.1@2239.37,3780 2239.37,3588.03 C21.1@2242.4,3585 ; L1.1@2385.63,3585 C21.1@2242.4,3585 ; D9.2@2585,3358.98 2583.98,3360 U9.2@2441.14,3360 U9.4@2208.86,3360 ; U9.4@2208.86,3360 2208.86,3498.86 2242.4,3532.4 C21.1@2242.4,3585
VOICE_BUSY: U3.7 U13.8 | length 2918.2
  Top Layer w12: v1(1557.76,2132.24) U3.7@1619.13,2132.24 ; v1(1560,3100) v1(2878,3100)
  Bottom Layer w12: v1(1557.76,2132.24) 1585,2159.49 1585,2898 1560,2923 v1(1560,3100) ; v1(2878,3100) 2878,3293 U13.8@3130,3545
VOICE_CS: U3.1 U13.6 | length 2447.6
  Top Layer w12: v1(1619,2365) 1619.13,2364.87 U3.1@1619.13,2321.22 ; v1(1619,3071) v1(2781,3071)
  Bottom Layer w12: v1(1619,2365) v1(1619,3071) ; v1(2781,3071) 2781,3396 U13.6@2930,3545
VOICE_DI: U3.51 U13.7 | length 1882.2
  Top Layer w12: U3.51@2113.23,2405.87 v1(2113.23,2462) ; v1(2190,3012) 2265.89,3012 2295.89,3042 v1(2830,3042)
  Bottom Layer w12: v1(2113.23,2462) 2113.23,2539.23 2190,2616 v1(2190,3012) v1@2190,3018 ; v1(2830,3042) 2830,3345 U13.7@3030,3545
WG_D0: P3.3 U3.4 | length 3367
  Top Layer w12: v1(1357,2225) 1358.73,2226.73 U3.4@1619.13,2226.73 ; v1(1382,854) 1554,854 1601,807 2075.6,807 2124.6,758 v1(2896,758)
  Bottom Layer w12: v1(1357,2225) 1357,879 v1(1382,854) ; P3.3@2896,590 v1(2896,758) v1@2896,759
WG_D1: P3.4 U3.5 | length 3384.1
  Top Layer w12: v1@1385,2195.24 U3.5@1619.13,2195.24 ; v1(1406,886) 1557,886 1605,838 2117,838 2159,796 v1(2996,796)
  Bottom Layer w12: v1(1385,2195) 1385,907 v1(1406,886) ; P3.4@2996,590 v1@2996,795
X0: U10.12 U12.1 | length 580.4
  Top Layer w12: v1(862,2026) U10.12@977.46,2026 ; v1(885,2390) U12.1@976.39,2390
  Bottom Layer w12: v1(862,2026) 885,2049 v1(885,2390)
X1: U8.9 U10.14 | length 934.4
  Top Layer w12: U8.9@977.46,1369 977.46,1331.54 v1(978,1331) ; U10.14@977.46,2126 v1(1049,2126)
  Bottom Layer w12: v1@977.46,1331 977.46,2054.46 v1(1049,2126)
X2: P11.2 U10.15 | length 883
  Top Layer w12: v1(856,2174) 975.46,2174 U10.15@977.46,2176
  Bottom Layer w12: P11.2@220,2475 425,2475 726,2174 v1(856,2174)
Y0: R14.1 U10.1 U12.4 | length 777.5
  Top Layer w12: R14.1@539.37,2290 617,2290 681,2226 U10.1@784.54,2226 v1(855,2226) ; v1(855,2540) U12.4@976.39,2540
  Bottom Layer w12: v1(855,2226) v1(855,2540)
Y1: R11.1 U8.10 U10.5 | length 1110.9
  Top Layer w12: R11.1@539.37,2090 622,2090 686,2026 v1(715,2026) U10.5@784.54,2026 ; v1(858,1419) U8.10@977.46,1419
  Bottom Layer w12: v1@716,2026 716,1469 766,1419 v1(858,1419)
Y2: P11.3 R9.1 U10.2 | length 727.6
  Top Layer w12: R9.1@539.37,2190 v1(620,2190) 634,2176 U10.2@784.54,2176
  Bottom Layer w12: P11.3@220,2375 435,2375 v1(620,2190)
pads on no net: BT1. J1.1 J1.4 J1.6 J1.7 J1.8 P2.0 P2.3 P2.16 P2.18 P4.3 P4.5 U10.4 U10.11 U15.3 U15.4 U15.5 U15.6 U15.7 U15.17 U15.18 U15.19 U15.20 U15.21 U16.5 U16.6 U16.7

## Polygon pours and split planes (outlines as drawn)
GND on Bottom Layer "Top Layer-No Net" (solid, remove dead copper, pour order 14): 0,3937.01 3937.01,3937.01 3937.01,0 0,0
AGND on Bottom Layer "Top Layer-No Net" (solid, remove dead copper, pour order 10): 0,3937.01 1849.99,3937.01 1850,3937 1849,3936 1849,3704 1849,3557 1848,3556 1775,3483 1775,3464 1775,3189 951,3189 938,3176 831,3069 764,3069 0,3069
+5.0V on Bottom Layer "Top Layer-No Net" (solid, remove dead copper, pour order 4): 839,3940 842,3937 1364,3937 1364,3422 1363,3421 839,3421
AGND on Top Layer "Top Layer-No Net" (solid, remove dead copper, pour order 6): 0,3937.01 0.01,3937 1849,3937 1849,3555 1794,3500 1776,3482 1776,3189 952,3189 834,3071 832,3069 0,3069
GND on Top Layer "Top Layer-No Net" (solid, remove dead copper, pour order 12): 0,3937.01 3937.01,3937.01 3937.01,0 0,0

## Keep-outs
Bottom Solder:
  rectangle: 837,3421 1366,3885
Keep-Out Layer:
  lines w10: 34,35 3818.9,35 3818.9,3900 34,3900 34,35

## Silkscreen, mask and mechanical layers (free items; w line width, h text height)
Top Overlay:
  text "1、四周4个安装孔不镀锡，请一定注意！！！" at 4248.76,3736.65 h150
  text "喇叭" at 3910,3714 h100 r90
  text "电源" at 114,3649 h100 r90
  text "2、过孔盖油" at 4263.76,3516.65 h150
  text "3、机械层为板边界" at 4263.76,3319.8 h150
  text "锁板通信" at 34,3246 h100 r270
  text "www.yaketu.com" at 3889,2704 h80 r90
  text "VB0317" at 3902,2300 h100 r90
  text "管理" at 28,2053 h100 r270
  text "红外" at 23,1664 h100 r270
  text "主控板V3" at 3914,1625 h100 r90
  text "键盘" at 3906,1250 h100 r90
  text "打印机电源" at 1936,759 h100
  text "读卡" at 2594,751 h100
  text "键二" at 3233,748 h100
  text "打印机1" at 31,493 h100
  text "指纹" at 413,489 h100
  text "投币" at 2224,321 h100
  text "键一" at 3226,305 h100
  text "取纸检测" at 2594,301 h100
  text "打印机2" at 1680,297 h100
Mechanical 1:
  the board outline again, w10

## Text inside footprints (layer, text, board x,y; h text height)
J1: Top Overlay "6" at 638,202 h40 r180; Top Overlay "9" at 968,202 h40 r180; Top Overlay "5" at 1018,522 h40 r180; Top Overlay "1" at 568,522 h40 r180
P2: Bottom Overlay "LCD12864" at 2525,2115 h40; Bottom Overlay "1" at 1454.06,1012.64 h40; Bottom Overlay "20" at 3383.19,1012.64 h40
P4: Top Overlay "6" at 1270,2649 h40 r180; Top Overlay "5" at 1270,2749 h40 r180; Top Overlay "2" at 1630,2649 h40 r180; Top Overlay "1" at 1610,2749 h40 r180